# Altium PCB balenaFin_v1_x_x.PcbDoc (part 2 of 7) (continued)
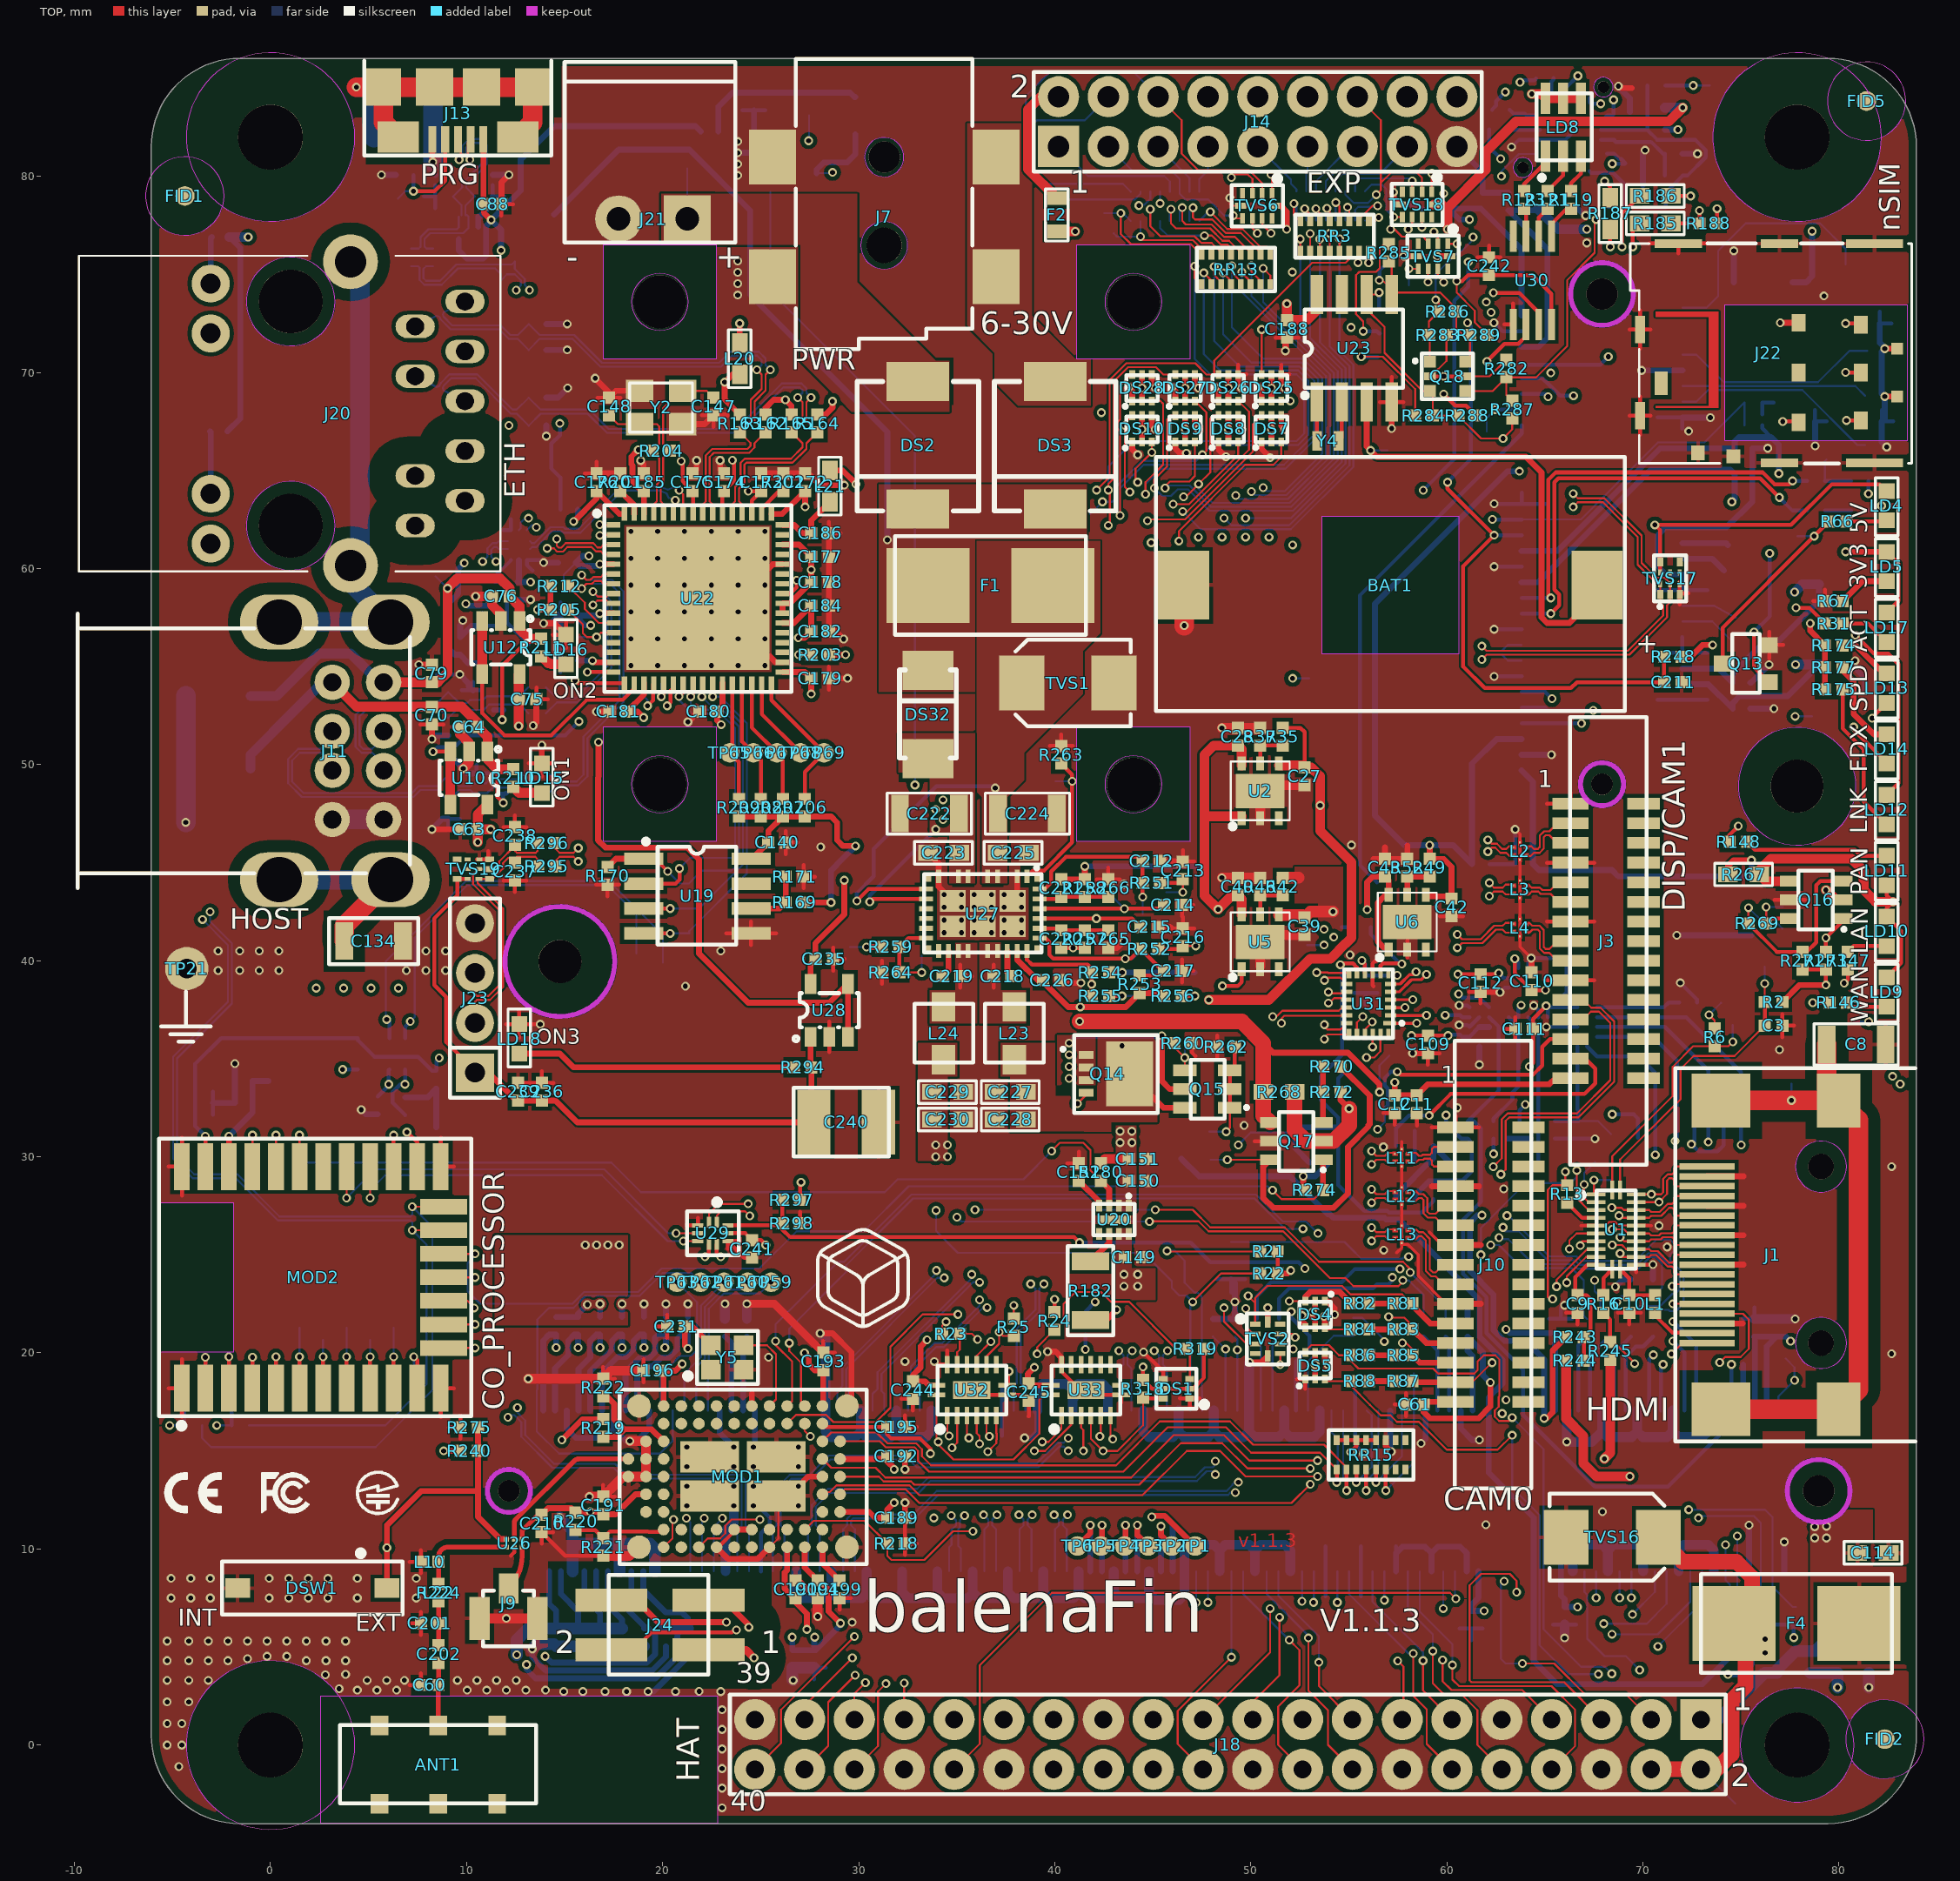
[diagram p0: TOP view]
## Part data
ANT1: library part "ANT - AH104N2450D1-T - 2.4G-5G", "2.4GHz, 5.4GHz WLAN Chip RF Antenna 2.4GHz ~ 2.5GHz, 4.9GHz ~ 5.85GHz 2.1dBi,  2.4dBi", Temperature range=-40°..+85°, Mount=Yes, MPN=AH104N2450D1-T, Pkg Type=SMD, ROOM=WIFI-BLUETOOTH
BAT1: library part "PORTA BATTERIA - SMTU1225-LF", "Coin Cell Battery Holders SFC - MNT FOR CR1225", Temperature range=-40°..+100°, Mount=Yes, MPN=SMTU1225-LF, Pkg Type=SMD, ROOM=RTC
C1 C187 C214 C215 C231: library part CS-C-0402-10n/50V, "CHIP CAP.CER. 10nF 50V 10% X7R 0402", Alternative MPN=C0402C103K5RACTU, MPN=Generic, Mount=Yes, Pkg Type=SMD
  C1: ROOM=CM3L
  C187: ROOM="ETHERNET+HUB USB"
  C214 C215: ROOM="POWER 5V-3V3"
  C231: ROOM=WIFI-BLUETOOTH
C2 C5 C7 C14 C16 C18 C20 C22 C24 C26 C93 C150 C151 C189 C190 C191 C192 C193 C194 C195 C196 C197 C198 C199: library part CS-C-0402-10u/6V3-X5R, "CHIP CAP.CER. 10uF 6.3V 20% X5R 0402", Alternative MPN=CC0402MRX5R5BB106, MPN=Generic, Temperature range=-55°..+85°, Mount=Yes, Pkg Type=SMD
  C2 C5 C7 C14 C16 C18 C20 C22 C24 C26: ROOM=CM3L
  C93: ROOM="ARTIK 020"
  C150 C151: ROOM=SWITCH-PW-3V3
  C189 C190 C191 C192 C193 C194 C195 C196 C197 C198 C199: ROOM=WIFI-BLUETOOTH
C3 C4 C6 C9 C10 C11 C12 C13 C15 C17 C19 C21 C23 C25 C61 C63 C64 C70 C75 C76 C79 C85 C88 C91 C92 C108 C109 C111 C117 C118 C119 C120 C121 C122 C123 C124 C140 C152 C170 C171 C172 C173 C174 C175 C176 C177 C178 C179 C180 C181 C182 C183 C186 C188 C204 C210 C211 C235 C236 C239 C241 C242 C243 C244 C245: library part CS-C-0402-100n/16V, "CHIP CAP.CER. 100nF 16V 10% X7R 0402", Alternative MPN=C0402C104K4RACTU, MPN=Generic, Mount=Yes, Pkg Type=SMD
  C3 C9 C10: ROOM=HDMI
  C4 C6 C13 C15 C17 C19 C21 C23 C25: ROOM=CM3L
  C11 C12 C243 C244 C245: ROOM="DISPLAY DSI"
  C61: ROOM="CAMERA CSI"
  C63 C64 C70 C235 C236 C239: ROOM="USB HOST 1"
  C75 C76 C79: ROOM="USB HOST 2"
  C85 C241: ROOM="SWITCH USB"
  C88: ROOM="USB BOOT"
  C91 C92: ROOM="ARTIK 020"
  C108 C109 C111: ROOM=eMMC
  C117 C118 C119 C120 C121 C122 C123 C124 C211: ROOM=mPCIE
  C140 C170 C171 C172 C173 C174 C175 C176 C177 C178 C179 C180 C181 C182 C183 C186: ROOM="ETHERNET+HUB USB"
  C152 C242: ROOM=SWITCH-PW-3V3
  C188: ROOM=RTC
  C204: ROOM=IO-EXPANDER
  C210: ROOM=WIFI-BLUETOOTH
C8 C71 C89 C134: library part CS-C-1206-10n/1kV, "CHIP CAP.CER. 10nF 1000V 10% X7R 1206", Alternative MPN=GRM31CR73A103KW03L, MPN=Generic, Mount=Yes, Pkg Type=SMD
  C8: ROOM=HDMI
  C71: ROOM="USB HOST 1"
  C89: ROOM="USB BOOT"
  C134: ROOM="ETHERNET+HUB USB"
C27 C28 C39 C40 C42 C43 C107 C149 C185 C226: library part CS-C-0402-1u/16-X5R, "CHIP CAP.CER. 1uF 16V 10% X5R 0402", MPN=Generic, Mount=Yes, Pkg Type=SMD
  C27 C28: ROOM="POWER 2V8"
  C39 C40: ROOM="POWER 1V8"
  C42 C43: ROOM="POWER 1V5"
  C107: ROOM=eMMC
  C149: ROOM=SWITCH-PW-3V3
  C185: ROOM="ETHERNET+HUB USB"
  C226: ROOM="POWER 5V-3V3"
C60 C68 C69 C77 C78 C86 C87 C201 C212 C217 C218 C219 C237 C238: library part CS-C-0402, "CHIP CAP.CER. 0402", MPN=Generic, Mount=No, Pkg Type=SMD
  C60 C201: ROOM=WIFI-BLUETOOTH
  C68 C69 C237 C238: ROOM="USB HOST 1"
  C77 C78: ROOM="USB HOST 2"
  C86 C87: ROOM="USB BOOT"
  C212 C217: ROOM="POWER 5V-3V3"
C110 C112: library part CS-C-0402-2.2u/6V3-X5R, "CHIP CAP.CER. 2.2uF 6.3V 20% X5R 0402", MPN=Generic, Mount=Yes, Pkg Type=SMD, ROOM=eMMC
C113 C114 C115 C116: library part CS-C-0603-10u/10V-X5R, "CHIP CAP.CER. 10uF 10V 10% X5R 0603", MPN=Generic, Mount=Yes, Pkg Type=SMD
  C113 C114: ROOM="CONNETTORE HAT"
  C115 C116: ROOM=mPCIE
C135: library part CS-C-0603-22n/50V, "CHIP CAP.CER. 22nF 50V 10% X7R 0603", MPN=Generic, Mount=Yes, Pkg Type=SMD, ROOM="ETHERNET+HUB USB"
C136 C137 C138 C139: library part CS-C-0402-15p/50V-NP0, "CHIP CAP.CER. 15pF 50V 5% NPO 0402", MPN=Generic, Mount=Yes, Pkg Type=SMD, ROOM="ETHERNET+HUB USB"
C147 C148 C153 C154 C155 C156: library part CS-C-0402-33p/50V-C0G, "CHIP CAP.CER. 33pF 50V 5% C0G 0402", MPN=Generic, Mount=Yes, Pkg Type=SMD
  C147 C148: ROOM="ETHERNET+HUB USB"
  C153 C154 C155 C156: ROOM=NANO-SIM
C184: library part CS-C-0402-4.7u/6V3-X5R, "CHIP CAP.CER. 4.7uF 6.3V 20% X5R 0402", MPN=Generic, Mount=Yes, Pkg Type=SMD, ROOM="ETHERNET+HUB USB"
C202: library part CS-C-0402-0.6p/50V-C0G, "CHIP CAP.CER. 0.6pF 50V ±0.1pF C0G 0402", MPN=Generic, Temperature range=-55°..+125°, Mount=Yes, Note=RF, Pkg Type=SMD, ROOM=WIFI-BLUETOOTH
C205 C206 C232 C234 C240: library part CS-C-1210-100u/10V-X5R, "CHIP CAP.CER. 100UF 10V 20% X5R 1210", MPN=Generic, Mount=Yes, Pkg Type=SMD
  C205 C206: ROOM=mPCIE
  C232: ROOM="USB HOST 2"
  C234 C240: ROOM="USB HOST 1"
C207 C208 C209 C222 C224: library part CS-C-1206-22u/25V-X5R, "CHIP CAP.CER. 22uF 25V 10% X5R 1206", MPN=Generic, Temperature range=-55°..+85°, Mount=Yes, Pkg Type=SMD
  C207 C208 C209: ROOM=mPCIE
  C222 C224: ROOM="POWER 5V-3V3"
C213 C216: library part CS-C-0402-220p/50V, "CHIP CAP.CER. 220pF 50V 10% X7R 0402", MPN=Generic, Mount=Yes, Pkg Type=SMD, ROOM="POWER 5V-3V3"
C220 C221: library part CS-C-0402-4.7p/50V-C0G, "CHIP CAP.CER. 4.7pF 50V 5% C0G 0402", MPN=Generic, Temperature range=-55°..+125°, Mount=Yes, Pkg Type=SMD, ROOM="POWER 5V-3V3"
C223 C225: library part CS-C-0603-100n/50V, "CHIP CAP.CER. 100nF 50V 10% X7R 0603", Alternative MPN=C0402C104K4RACTU, MPN=Generic, Mount=Yes, Pkg Type=SMD, ROOM="POWER 5V-3V3"
C227 C228 C229 C230: library part CS-C-0603-22u/10V/X5R, "CHIP CAP.CER. 22uF 10V 20% X5R 0603", MPN=Generic, Temperature range=-55°..+85°, Mount=Yes, Pkg Type=SMD, ROOM="POWER 5V-3V3"
DS1 DS4 DS5 DS7 DS8 DS9 DS10 DS25 DS26 DS27 DS28: library part "DIODO4x - BAV99BRVA-7 -0.2A/75V", "Diode Switching 75V 0.215A 6-Pin SOT-563 T/R", Temperature range=-65°..+150°, Mount=Yes, MPN=BAV99BRVA-7, Note="2x Serie", Pkg Type=SMD
  DS1: ROOM="DISPLAY DSI"
  DS4 DS5: ROOM="CAMERA CSI"
  DS7 DS8 DS9 DS10 DS25 DS26 DS27 DS28: ROOM="MCU CONNECTOR"
DS2 DS3: library part "SCHOTTKY-CDBC560-G - 5A/60V", "DIODE SCHOTTKY 5A 60V CDBC560-G DO214AB SMT", Mount=Yes, MPN=CDBC560-G, Pkg Type=SMD, ROOM="POWER IN"
DS32 DS33: library part "SCHOTTKY-MBRA160 - 1A/60V", "DIODE SCHOTTKY 1A 60V MBRA160T3G SMA SMT", MPN=MBRA160T3G, Mount=Yes, Pkg Type=SMD, ROOM="POWER IN"
DSW1 DSW2: library part DIP-SW-1x-CHS-01TB-SMD, "Dip Switch SPST 1 Position - Surface Mount Slide (Standard) - Actuator 100mA 6VDC", Temperature range=-40°..+85°, Mount=Yes, MPN=CHS-01TB, Pkg Type=SMD
  DSW1: ROOM=WIFI-BLUETOOTH
F1 F4: library part "RAPIDO - 0154003.DR - 3A/125V", "FUSE BOARD MNT 3A 125VAC/VDC SMD", Mount=Yes, MPN=0154003-DR, Pkg Type=SMD, ROOM="POWER IN"
F2: library part "PTC - 0ZCM0010FF2G - 0.1A/15V", "PTC RESET FUSE 15V 100MA 0603", MPN=0ZCM0010FF2G, Temperature range=-40°..+85°, Mount=Yes, Note=Ihold=250mA, Pkg Type=SMD, ROOM="MCU CONNECTOR"
F3: library part "PTC - MF-FSMF050X-2 -0.5A/6V", "PTC RESET FUSE 6V 500MA 0603", MPN=MF-FSMF050X-2, Mount=Yes, Note="Ihold=500mA - Itrip=1A - Imax=40A", Pkg Type=SMD
FID1 FID2 FID3 FID4 FID5 FID6: library part FIDUCIAL, "FIDUCIAL", MPN=Fiducial-No-BoM, Mount=Yes, Pkg Type=SMD
J1: library part "HDMI - J-19-0050-FOS-HDMI-A-CNC", "HDMI Receptacle Connector - 19 Position Surface Mount, Right Angle", MPN=2000-1-2-41-00-BK, Temperature range=-20°..+85°, Mount=Yes, Note="Full SMD", Pkg Type=SMD, ROOM=HDMI
J2: library part "SODIMM - CM3L - 1473005-4", "200 Position SODIMM DDR2 - SDRAM Socket Surface Mount, Right Angle", MPN=1473005-4, Power requirements="VBAT: 3.5W - 3V3: 250mA - 1V8: 250mA - VDAC:25mA - GPIO0-27-VDD: 50mA- GPIO28-45-VDD: 50mA - SDVDD:50mA", Temperature range=-55°..+85°, Mount=Yes, Pkg Type=SMD, ROOM=CM3L
J3 J10: library part "FPC-ZIF - J-15X2-0100-FDS-ZIF", "CONN FPC VERT 15POS 1.00MM SMD", Temperature range=-20°..+85°, Mount=Yes, MPN=1-1734248-5, Pkg Type=SMD
  J3: ROOM="DISPLAY DSI"
  J10: ROOM="CAMERA CSI"
J7: library part "JACK-PW - J-CUPJ002AH", "CONN. POWER JACK F/90° PJ-002AH-SMT-TR CUI SMT", Alternative MPN=694106106102, Mount=Yes, MPN=PJ-002AH-SMT, Note="ID=2.1mm OD=5.5mm", Pkg Type=SMD, ROOM="POWER IN"
J9: library part "UFL - U-FL-R-SMT-1-10", "CONN. RF M U.FL-R-SMT-1(10) HIROSE SMT", Temperature range=-40°..+90°, Mount=Yes, MPN=uFL-R-SMT-1-10, Note=50ohm, Pkg Type=SMD, ROOM=WIFI-BLUETOOTH
J11: library part "USB - J-8-0200-FOT-USB-A-2X", "USB-A (USB TYPE-A), Stacked USB 2.0 Receptacle Connector 8 Position Through Hole, Right Angle", Alternative MPN=672983091, MPN=1002-004-01010, Temperature range=-55°..+85°, Mount=Yes, Pkg Type=THT, ROOM="USB HOST 1"
J13: library part "USB - MICROUSB-B-FCI10118192", "USB - micro B USB 2.0 Receptacle Connector 5 Position Surface Mount, Right Angle", MPN=10118192-0001LF, Temperature range=-30°..+85°, Mount=Yes, Note="Full SMD", Pkg Type=SMD, ROOM="USB BOOT"
J14: library part STRIP-J-9X2-0254-MDT, "CONN HEADER SMD 18POS 2.54MM DUAL ROW THT", MPN=Generic, Mount=Yes, Pkg Type=THT, ROOM="MCU CONNECTOR"
J18: library part STRIP-J-20X2-0254-MDT, "Dual row connector header 40P P=2.54 H=8.5mm RPi Color coded", MPN=PZX20180117132, Mount=Yes, Note=H=8.5mm, Pkg Type=THT, ROOM="CONNETTORE HAT"
J19: library part "mPCIE - J-26X2-0080-FOS-2041119", "CONN PCI EXP MINI FEMALE 52POS", MPN=2041119-1, Temperature range=-55°..+85°, Mount=Yes, Note=0.5A/50VAC, Pkg Type=SMD, ROOM=mPCIE
J20: library part "RJ45-POE+ - 7499410213", "CONN JACK 1PORT 100 BASE-T PCB PoE+", Alternative MPN=TRJP4162HENL, MPN=7499410213, Temperature range=-40°..+85°, Mount=Yes, Note="Cable clip bottom", Pkg Type=THT
J21: library part "MC - J-2-0350-MOT-MC", "TERM BLOCK HDR 2POS 90DEG 3.5MM", Mount=Yes, MPN=1920943, Pkg Type=THT, ROOM="POWER IN"
J22: library part "NANOSIM - J-NANOSIM-SF72S006VBA", "CONN NANO SIM CARD PUSH-PUSH", Alternative MPN=SF72S006VBDR2500, MPN=SF72S006VBAR2500, Temperature range=-25°..+85°, Mount=Yes, Pkg Type=SMD, ROOM=NANO-SIM
J23: library part STRIP-J-4-0254-MDT, "CONN HEADER SMD 4POS 2.54MM SINGLE ROW THT", Alternative MPN=SL11/112/4/G, MPN=Generic, Mount=Yes, Pkg Type=THT
J24: library part STRIP-J-2X2-0254-MDS-TSM, "CONN HEADER SMD 4POS 2.54MM DUAL ROW SMT", MPN=Generic, Temperature range=-55°..+105°, Mount=Yes, Note=H=9.61mm, Pkg Type=SMD
L1: library part "FIL-BLM15PX121SN1D- 120R/2A", "FERRITE 120R 2A 25% 0402 BLM15PX121SN1D MURATA SMT", Temperature range=-55°..+125°, Mount=Yes, MPN=BLM15PX121SN1D, Pkg Type=SMD, ROOM=HDMI
L2 L3 L4 L11 L12 L13: "Common Mode Chokes / Filters 90ohms 25% 100A 2 Lines 0806", Mount=Yes, MPN=LCFE080602G900TG, Note="ESD Protection Inside", Pkg Type=SMD
L10: library part "L - L-07C2N2SV6T-2.2n/0.3A", "FIXED IND 2.2NH 300MA 160MOHM SM", Temperature range=-40°..+100°, Mount=Yes, MPN=L-07C2N2SV6T, Pkg Type=SMD, ROOM=WIFI-BLUETOOTH
L20 L21: library part FIL-BLM18PG121SN1D-120R/2A, "FERRITE BEAD 120 OHM 0603 1LN", Mount=Yes, MPN=BLM18PG121SN1D, Pkg Type=SMD, ROOM="ETHERNET+HUB USB"
L22: library part "L - L-07C1N8SV6T-1.8n/0.3A", "FIXED IND 1.8NH 300MA 140MOHM SM", MPN=Generic, Temperature range=-40°..+100°, Mount=No, Pkg Type=SMD, ROOM=WIFI-BLUETOOTH
L23 L24: library part PW-IHLP1212BZER1R0M11-1u/5A, "FIXED IND 1UH 5A 24 MOHM SMD", MPN=Generic, Temperature range=-55°..+125°, Mount=Yes, Pkg Type=SMD, ROOM="POWER 5V-3V3"
LD4 LD5: library part "LED R - GENERICO - 0603", "LED Red 0603 SMT", Alternative MPN=LTST-C191KRKT, MPN=Generic, Mount=Yes, Note=2V/20mA, Pkg Type=SMD, ROOM="POWER LED"
LD8: library part "LED RGB - ASMT-YTB7-0AA02", "LED RGB- 623nm Red, 529nm Green, PLCC6 469nm Blue LED Indication -  Discrete 2.1V Red, 3.1V", Mount=Yes, MPN=ASMT-YTB7-0AA02, Note="VFR=2.1V@20mA - VFG=VFB=3.1V@20mA", Pkg Type=SMD, ROOM="LED RGB"
LD9 LD10 LD11 LD12 LD14 LD15 LD16 LD17 LD18: library part "LED V - GENERICO - 0603", "LED Green 0603 SMT", Alternative MPN=KP-1608SGC, MPN=Generic, Mount=Yes, Note=V=2.2V/20mA, Pkg Type=SMD
  LD12 LD14: ROOM="ETHERNET+HUB USB"
  LD15 LD18: ROOM="USB HOST 1"
  LD16: ROOM="USB HOST 2"
  LD17: ROOM=CM3L
LD13: library part "LED G - KPT-1608YC - 0603", "LED Yellow 0603 SMT", Alternative MPN=KPT-1608YC, MPN=Generic, Mount=Yes, Note=V=2.1v/20mA, Pkg Type=SMD, ROOM="ETHERNET+HUB USB"
MOD1: library part "WIFI-BLE - WYSBHVGXG", "WiFi 802.11a/b/g/n, Bluetooth v4.2 Module 2.4GHz, 5GHz", Power requirements="3.3V: 300mA", Temperature range=-30°..+85°, Mount=Yes, MPN=WYSBHVGXG, Note="2.4G - 5G - BLE 4.2", Pkg Type=SMD, ROOM=WIFI-BLUETOOTH
MOD2: library part "ARTIK - 020", "Bluetooth v4.2 Transceiver Module 2.4GHz Integrated, Chip Surface Mount", Power requirements="3V3: 200mA", Temperature range=-40°..+85°, Mount=Yes, MPN=BGM111A256V21R, Note="PU_GPIO=100k - VIH=VDDx0.7 - VIL=VDDx0.3 - VOH=VDDx0.6 - VOL=VDDx0.4", Pkg Type=SMD, ROOM="ARTIK 020"
Q1 Q2 Q3 Q6 Q13: library part "NMOS - BSS138 - 0.2A/50V", "MOSFET N-CH 50V 220MA SOT23-3", Mount=Yes, MPN=BSS138LT1G, Pkg Type=SMD
  Q1 Q13: ROOM=HDMI
  Q2 Q3: ROOM=CM3L
  Q6: ROOM="SWITCH USB"
Q14: library part "PMOS - SISS27DN - 23A/30V", "MOSFET P-CH 30V 50A PPAK 1212-8S", Temperature range=-65°..+150°, Mount=Yes, MPN=SISS27DN-T1-GE3, Pkg Type=SMD, ROOM="POWER 5V-3V3"
Q15: library part "PNPPNP - DMMT5401-7-F-0.2A/150V", "TRANS 2PNP 150V 0.2A SOT26", Temperature range=-55°..+150°, Mount=Yes, MPN=DMMT5401-7-F, Pkg Type=SMD, ROOM="POWER 5V-3V3"
Q16 Q17 Q20: library part "N-P MOS-FDC6327C-2.7A/1.9A/20V", "MOSFET N/P-CH 20V SSOT-6", Temperature range=-55°..+150°, Mount=Yes, MPN=FDC6327C, Pkg Type=SMD
  Q16: ROOM=SWITCH-PW-LED
  Q17: ROOM=SWITCH-PW-5V
Q18: library part "NMOS-2X - PMGD280UN - 0.87A/20V", "MOSFET 2N-CH 20V 0.87A 6TSSOP", Temperature range=-55°..+150°, Mount=Yes, MPN=PMGD280UN, Note="Vth=0.7V - Rds=0.4ohm", Pkg Type=SMD, ROOM=I2C-ISOLATOR
Q21: library part "NMOS - DMN3053L-7 - 4A/30V", "MOSFET N-CH 30V 4A SOT23", Temperature range=-55°..+150°, Mount=Yes, MPN=DMN3053L-7, Pkg Type=SMD
R1 R3 R4 R5 R282 R283 R288 R289 R318 R319: library part RS-0402-2.49k, "CHIP RES. 2K49 0402 1/16W 1% 100PPM/°C", MPN=Generic, Mount=Yes, Note=100ppm, Pkg Type=SMD
  R1 R3 R4 R5 R318 R319: ROOM=CM3L
  R282 R283 R288 R289: ROOM=I2C-ISOLATOR
R2 R6 R8 R9 R11 R12 R13 R14 R15 R16 R17 R19 R91 R92 R108 R109 R114 R115 R139 R140 R171 R183 R224 R229 R231 R232 R235 R237 R243 R249 R250 R255 R264 R293 R295 R296 R309 R311 R312 R313: library part RS-0402-0r, "CHIP RES. 0R 0402 1/16W 1%", MPN=Generic, Pkg Type=SMD
  R2 R6 R8 R9 R11 R12 R13 R14 R15 R16 R17 R19 R183 R237 R243 R293: Mount=Yes, ROOM=CM3L
  R91 R92 R295 R296: Mount=Yes, ROOM="USB HOST 1"
  R108 R109: Mount=Yes, ROOM="USB HOST 2"
  R114 R115: Mount=Yes, ROOM="USB BOOT"
  R139 R140: Mount=Yes, ROOM=eMMC
  R171: Mount=Yes, ROOM="ETHERNET+HUB USB"
  R224: Mount=Yes, ROOM=WIFI-BLUETOOTH
  R229 R231 R232 R235 R312 R313: Mount=Yes, ROOM=IO-EXPANDER
  R249 R250: Mount=Yes, ROOM=mPCIE
  R255 R264: Mount=Yes, ROOM="POWER 5V-3V3"
  R309: Mount=Yes
  R311: Mount=No, ROOM=I2C-ISOLATOR
R7 R10 R18 R20 R21 R22 R180: library part RS-0402-100k, "CHIP RES. 100K 0402 1/16W 1%", MPN=Generic, Mount=Yes, Pkg Type=SMD
  R7 R10 R18 R20: ROOM=CM3L
  R21 R22: ROOM=HDMI
  R180: ROOM=SWITCH-PW-3V3
R23 R24 R25 R26 R81 R82 R83 R84 R85 R86 R87 R88: library part RS-0402-100r, "CHIP RES. 100R 0402 1/16W 1%", MPN=Generic, Mount=Yes, Pkg Type=SMD
  R23 R24 R25 R26: ROOM="DISPLAY DSI"
  R81 R82 R83 R84 R85 R86 R87 R88: ROOM="CAMERA CSI"
R28 R29 R37 R46 R52 R118 R128 R132 R134 R170 R203 R205 R206 R207 R208 R209 R218 R219 R220 R240 R245 R246 R248 R262 R271 R272 R273 R274 R298: library part RS-0402-10k, "CHIP RES. 10K 0402 1/16W 1%", MPN=Generic, Temperature range=-55°..+125°, Mount=Yes, Pkg Type=SMD
  R28 R29: ROOM=CM3L
  R37: ROOM="POWER 2V8"
  R46: ROOM="POWER 1V8"
  R52: ROOM="POWER 1V5"
  R118: ROOM="ARTIK 020"
  R128 R132: ROOM="SWO MCU"
  R134: ROOM=eMMC
  R170 R203 R205 R206 R207 R208 R209: ROOM="ETHERNET+HUB USB"
  R218 R219 R220 R240: ROOM=WIFI-BLUETOOTH
  R245: ROOM=HDMI
  R246 R248: ROOM=mPCIE
  R262: ROOM="POWER 5V-3V3"
  R271 R273: ROOM=SWITCH-PW-LED
  R272 R274: ROOM=SWITCH-PW-5V
R31 R67 R174 R175 R177 R307 R308: library part RS-0402-470r, "CHIP RES. 470R 0402 1/16W 1%", MPN=Generic, Mount=Yes, Pkg Type=SMD
  R31: ROOM=CM3L
  R67: ROOM="POWER LED"
  R174 R175 R177 R307 R308: ROOM="ETHERNET+HUB USB"
R32 R66 R116 R210 R211 R212 R269 R294: library part RS-0402-1k, "CHIP RES. 1K 0402 1/16W 1%", MPN=Generic, Mount=Yes, Pkg Type=SMD
  R32 R66 R116: ROOM="POWER LED"
  R210 R294: ROOM="USB HOST 1"
  R211: ROOM="USB HOST 2"
  R212: ROOM="ETHERNET+HUB USB"
  R269: ROOM=SWITCH-PW-LED
R35: library part RS-0402-24.9k, "CHIP RES. 24K9 0402 1/16W 1%", MPN=Generic, Mount=Yes, Pkg Type=SMD, ROOM="POWER 2V8"
R42 R202: library part RS-0402-12.4k, "CHIP RES. 12K4 0402 1/16W 1% 100PPM/°C", MPN=Generic, Mount=Yes, Note=100ppm, Pkg Type=SMD
  R42: ROOM="POWER 1V8"
  R202: ROOM="ETHERNET+HUB USB"
R49: library part RS-0402-8.66k, "CHIP RES. 8K66 0402 1/16W 1% 100PPM/°C", MPN=Generic, Temperature range=-55°..+155°, Mount=Yes, Note=100ppm, Pkg Type=SMD, ROOM="POWER 1V5"
R96 R117: library part RS-1206-1M, "CHIP RES. 1M 1206 1/4W 1%", MPN=Generic, Mount=Yes, Pkg Type=SMD
  R96: ROOM="USB HOST 1"
  R117: ROOM="USB BOOT"
R113 R260: library part RS-0402-47k, "CHIP RES. 47K 0402 1/16W 1% 100PPM/°C", MPN=Generic, Mount=Yes, Note=100ppm, Pkg Type=SMD
  R113: ROOM="SWITCH USB"
  R260: ROOM="POWER 5V-3V3"
R119: library part RS-0402-240r, "CHIP RES. 240R 0402 1/16W 1% 100PPM/°C", MPN=Generic, Temperature range=-55°..+125°, Mount=Yes, Note=100ppm, Pkg Type=SMD, ROOM="LED RGB"
R121 R123: library part RS-0402-200r, "CHIP RES. 200R 0402 1/16W 1% 100PPM/°C", MPN=Generic, Mount=Yes, Note=100ppm, Pkg Type=SMD, ROOM="LED RGB"
R133 R135 R136 R137 R138: library part RS-0402-49.9k, "CHIP RES. 49K9 0402 1/16W 1% 100PPM/°C", MPN=Generic, Temperature range=-55°..+155°, Mount=Yes, Note="100 ppm", Pkg Type=SMD, ROOM=eMMC
R142 R143 R144 R145 R153 R169 R221 R222 R230 R233 R234 R236 R244 R247 R253 R254 R256 R259 R275 R284 R285 R297 R314 R315: library part RS-0402, "CHIP RES. 0402", MPN=Generic, Mount=No, Pkg Type=SMD
  R153: ROOM="USB BOOT"
  R169: ROOM="ETHERNET+HUB USB"
  R221 R222 R275: ROOM=WIFI-BLUETOOTH
  R230 R233 R234 R236: ROOM=IO-EXPANDER
  R247: ROOM=mPCIE
  R253 R254 R256 R259: ROOM="POWER 5V-3V3"
  R284 R285 R314 R315: ROOM=I2C-ISOLATOR
R146 R147 R148: library part RS-0402-330r, "CHIP RES. 330R 0402 1/16W 1%", MPN=Generic, Mount=Yes, Pkg Type=SMD, ROOM=mPCIE
R162 R163 R164 R165: library part RS-0402-49.9r, "CHIP RES. 49R9 0402 1/16W 1% 100PPM/°C", MPN=Generic, Temperature range=-55°..+155°, Mount=Yes, Note="100 ppm", Pkg Type=SMD, ROOM="ETHERNET+HUB USB"
R182: library part RS-1206-100r, "CHIP RES. 100R 1206 1/4W 1%", MPN=Generic, Mount=Yes, Pkg Type=SMD, ROOM=SWITCH-PW-3V3
R184 R286 R287: library part RS-0402, "CHIP RES. 0R 0402 1/10W 1%", MPN=Generic, Mount=No, Pkg Type=SMD
  R184: ROOM=HUB-USB
  R286 R287: ROOM=I2C-ISOLATOR
R185 R186 R187: library part RS-0603-22r, "CHIP RES. 22R 0603 1/16W 1%", MPN=Generic, Mount=Yes, Pkg Type=SMD, ROOM=NANO-SIM
R188 R251 R252 R263: library part RS-0402-15k, "CHIP RES. 15K 0402 1/16W 1%", MPN=Generic, Temperature range=-55°..+155°, Mount=Yes, Pkg Type=SMD
  R188: ROOM=NANO-SIM
  R251 R252 R263: ROOM="POWER 5V-3V3"
R200: library part RS-0402-10r, "CHIP RES. 10R 0402 1/16W 1% 100PPM/°C", MPN=Generic, Temperature range=-55°..+125°, Mount=Yes, Note="100 ppm", Pkg Type=SMD, ROOM="ETHERNET+HUB USB"
R201: library part RS-0402-12k, "CHIP RES. 12K 0402 1/16W 1%", MPN=Generic, Mount=Yes, Pkg Type=SMD, ROOM="ETHERNET+HUB USB"
R204 R257 R258: library part RS-0402-1M, "CHIP RES. 1M 0402 1/16W 1%", MPN=Generic, Mount=Yes, Pkg Type=SMD
  R204: ROOM="ETHERNET+HUB USB"
  R257 R258: ROOM="POWER 5V-3V3"
R265: library part RS-0402-191k, "CHIP RES. 191K 0402 1/16W 1%", MPN=Generic, Mount=Yes, Pkg Type=SMD, ROOM="POWER 5V-3V3"
R266: library part RS-0402-316k, "CHIP RES. 316K 0402 1/16W 1%", MPN=Generic, Mount=Yes, Pkg Type=SMD, ROOM="POWER 5V-3V3"
R267 R268: library part RS-0603, "CHIP RES. 0603", MPN=Generic, Mount=No, Pkg Type=SMD
  R267: ROOM=SWITCH-PW-LED
  R268: ROOM=SWITCH-PW-5V
R270 R316 R317: library part RS-0402-2.2k, "CHIP RES. 2K2 0402 1/16W 1%", MPN=Generic, Mount=Yes, Pkg Type=SMD
  R270: ROOM=SWITCH-PW-5V
RR2 RR3 RR13 RR14: library part RR-8X-1506-100r/5%, "RES ARRAY 8 RES 100 OHM 1506 5%", Alternative MPN=CAY16-101J8LF, MPN=Generic, Temperature range=-55°..+125°, Mount=Yes, Note=200ppm, Pkg Type=SMD, ROOM="MCU CONNECTOR"
RR4: library part RR-1206-49.9r, "RES ARRAY 4 RES 49.9 OHM 1206 1%", Alternative MPN=CAY16-49R9F4LF, MPN=Generic, Mount=Yes, Note=4x, Pkg Type=SMD, ROOM="SWO MCU"
RR15: library part RR-8X-1506-10k/5%, "RES ARRAY 8 RES 10K OHM 1506 5%", Alternative MPN=CAY16-103J8LF, MPN=Generic, Temperature range=-55°..+125°, Mount=Yes, Note=200ppm, Pkg Type=SMD, ROOM=WIFI-BLUETOOTH
TP1 TP2 TP3 TP4 TP5 TP6 TP41 TP46 TP47 TP49 TP50 TP55 TP56 TP57 TP58 TP59 TP60 TP61 TP62 TP63 TP64 TP65 TP66 TP67 TP68 TP69 TP70 TP71 TP72 TP84: library part "TEST POINT SMD 1 MM", "TEST POINT SMD", MPN=TP-No-BoM, Mount=Yes, Pkg Type=SMD
  TP41: ROOM=eMMC
  TP46 TP47 TP49 TP50 TP55 TP56 TP57 TP58 TP64: ROOM=mPCIE
  TP65 TP66 TP67 TP68 TP69: ROOM="ETHERNET+HUB USB"
TP21: library part "TEST POINT THT - 2.2MM", "PCB Test Point, Black, - Through Hole Mount, 1.02 mm, Phosphor Bronze, Tin Plated Contacts", MPN=20-2137, Mount=Yes, Pkg Type=THT, ROOM="POWER IN"
TVS1: library part "TVS-UNI - SMBJ36A - 36V/600W", "TVS DIODE 36VWM 58.1VC SMB", Mount=Yes, MPN=SMBJ36A, Note=Unidirectional, Pkg Type=SMD, ROOM="POWER IN"
TVS2 TVS6 TVS7 TVS18: library part "TVS-UNI6x - TPD6E001RSER", "TVS DIODE 5VWM", Temperature range=-40°..+85°, Mount=Yes, MPN=TPD6E001RSER, Note="Unidirectional - 6x - High-Speed Data Interface  I/O", Pkg Type=SMD
  TVS2: ROOM="CAMERA CSI"
  TVS6 TVS7 TVS18: ROOM="MCU CONNECTOR"
TVS3: library part "TVS-UNI3x - TPD3E001DRLR - USB", "TVS DIODE 5.5VWM", Alternative MPN=TPD3E001DRYR, Temperature range=-40°..+85°, Mount=Yes, MPN=TPD3E001DRLR, Note="Unidirectional - High-Speed Data Interface - USB", Pkg Type=SMD, ROOM="USB HOST 1"
TVS4 TVS5 TVS17 TVS19: library part "TVS-UNI3x - TPD3E001DRLR - USB", "TVS DIODE 5.5VWM", Temperature range=-40°..+85°, Mount=Yes, MPN=TPD3E001DRLR, Note="Unidirectional - High-Speed Data Interface - USB", Pkg Type=SMD
  TVS4: ROOM="USB HOST 2"
  TVS5: ROOM="USB BOOT"
  TVS17: ROOM=mPCIE
  TVS19: ROOM="USB HOST 1"
TVS15: library part "TVS-UNI - SM2T3V3A - 3.6V/200W", "TVS DIODE 3.3VWM 6.8VC DO216AA", Mount=Yes, MPN=SM2T3V3A, Note=Unidirectional, Pkg Type=SMD, ROOM="CONNETTORE HAT"
TVS16: library part "TVS-UNI - SM6T6V8A - 6.8V/600W", "TVS DIODE 5.8VWM 13.4VC SMB", Mount=Yes, MPN=SM6T6V8A, Note=Unidirectional, Pkg Type=SMD, ROOM="CONNETTORE HAT"
U1: library part "HDMI-TPD12S016RKTR-ESD PROTECT", "HDMI, I²C Buffer, ESD Protection Interface 24-UQFN (4x2)", Power requirements="5V: 100mA - 3V:50uA", Temperature range="-40° - +85°", Mount=Yes, MPN=TPD12S016RKTR, Pkg Type=SMD, ROOM=HDMI
U2 U5 U6: library part "LDO - LD39050PUR - 0.5A/ADJ", "Linear Voltage Regulator IC Positive Adjustable 1 Output 500mA 6-DFN (3x3)", Temperature range=-40°..+125°, Mount=Yes, MPN=LD39050PUR, Pkg Type=SMD
  U2: ROOM="POWER 2V8"
  U5: ROOM="POWER 1V8"
  U6: ROOM="POWER 1V5"
U10 U12 U28: library part "USB-PSW - TPS2051CDBVR", "Power Switch/Driver 1:1 N-Channel 500mA SOT-23-5", Temperature range=-40°..+125°, Mount=Yes, MPN=TPS2051CDBVR, Note="Active High EN", Pkg Type=SMD
  U10 U28: ROOM="USB HOST 1"
  U12: ROOM="USB HOST 2"
U13 U29: library part "SWITCH-USB - FSUSB42UMX", "USB Switch IC 1 Channel 10-UMLP (1.8x1.4)", Power requirements="3V3: 15uA", Temperature range=-40°..+85°, Mount=Yes, MPN=FSUSB42UMX, Pkg Type=SMD, ROOM="SWITCH USB"
U17: library part "eMMC - SDINBDG4-8G-I - 8GB", "IC eMMC SDINBDG4-8G SANDISK VFBGA153 SMT", Power requirements="Vcc/Vccq: 230mA", Temperature range=-25°..+85°, Mount=Yes, MPN=SDINBDG4-8G-I, Note="Standard 5.1 - VCC=2.7V-3.6V - VCCQ=1.7V-1.95V/2.7V-3.6V", Pkg Type=SMD, ROOM=eMMC
U19: library part "EE - 93AA66CT-I-SN - 4Kb", "IC EEPROM 4KBIT SPI 3MHZ 8SOIC", Power requirements="3V3: 2mA", Temperature range=-40°..+85°, Mount=Yes, MPN=93AA66CT-I/SN, Note="VIH=2V - VIL=0.8V - VOL=0.4", Pkg Type=SMD, ROOM="ETHERNET+HUB USB"
U20: library part "PSW - 1x - AP22800HB-7", "IC PWR SWITCH N-CHAN 1:1 8UDFN", Power requirements="xV: 21uA", Temperature range=-40°..+85°, Mount=Yes, MPN=AP22800HB-7, Note="1.5 -5.5V - 16mOHM", Pkg Type=SMD, ROOM=SWITCH-PW-3V3
U22: library part "USB-ETH-HUBx4 - LAN9514I", "IC USB 2.0 ETH CTLR IND 64-QFN", Power requirements="3V3: 290mA", Temperature range=-40°..+85°, Mount=Yes, MPN=LAN9514I-JZX, Note="USB 2.0 + ETH 10/100", Pkg Type=SMD
U23: library part "RTC - DS1307ZN+", "IC RTC CLK/CALENDAR I2C 8-SOIC", Power requirements="5V: 2mA", Temperature range=-40°..+85°, Mount=Yes, MPN=DS1307ZN+, Pkg Type=SMD, ROOM=RTC
U25: library part "IO EXP-8b - PCA9554BS3-118", "IC I/O EXPANDER I2C 8B 16HVQFN", Alternative MPN=PCA9554ABS, Power requirements="3V3: 20mA", Temperature range=-40°..+85°, Mount=Yes, MPN=PCA9554BS3-118, Note="Full Bidirectional", Pkg Type=SMD, ROOM=IO-EXPANDER
U26: library part "RF-SW - BGS12SN6E6327XTSA1", "IC RF SWITCH SPDT 6GHZ TSNP6-2", Power requirements="xV: xmA", Temperature range=-40°..+85°, Mount=Yes, MPN=BGS12SN6E6327XTSA1, Note="100MHz to 6GHz", Pkg Type=SMD, ROOM=WIFI-BLUETOOTH
U27: library part "BUCK-2X-LT8650SEV- 4A/ADJ", "IC REG BCK 3.3V/5V 4A DL 32LQFN", Temperature range=-40°..+125°, Mount=Yes, MPN=LT8650SEV, Note="300kHz - 3MHz - VIN=3V - 42V", Pkg Type=SMD, ROOM="POWER 5V-3V3"
U30: library part "LED DRIVER-4x - PCA9633DP1", "IC LED DRIVER PS DIM 25MA 8TSSOP", Power requirements="3.3V: 10mA+LED", Temperature range=-40°..+85°, Mount=Yes, MPN=PCA9633DP1, Note="VCC=2.3V-5.5V - VIH-I2C=0.7*VDD-5.5V", Pkg Type=SMD
U31: library part "MIPI-SWITCH - FSA642UMX", "IC SWITCH 3PDT 24UMLP", Power requirements="3V3: 2uA", Temperature range=-40°..85°, Mount=Yes, MPN=FSA642UMX, Note="Up to 1GHz", Pkg Type=SMD
U32 U33: library part "MUX-AN-4x2-1 - 74CBTLV3257BQ", "IC MUX/DEMUX 4 X 1:2 16DHVQFN", Power requirements="3V3: 50uA", Temperature range=-40°..125°, Mount=Yes, MPN=74CBTLV3257BQ, Pkg Type=SMD
Y2: library part QUARZO-ABM8G-25.000MHz, "25MHz ±20ppm Crystal 18pF 60 Ohms 4-SMD, No Lead  D=3.2x2.5", MPN="ABM8G-25.000MHZ- 18-D2Y-T", Mount=Yes, Pkg Type=SMD, ROOM="ETHERNET+HUB USB"
Y4: library part QUARZO-ABS05-32.768KHZ-T, "32.768kHz ±20ppm Crystal 12.5pF 90 kOhms 2-SMD, No  Lead D=1.6x1", Temperature range=-40°..+85°, Mount=Yes, MPN=ABS05-32.768KHZ-T, Note=CL=12.5p, Pkg Type=SMD, ROOM=RTC
Y5: library part "OSCILLATORE - NZ2520SB-32.768K", "32.768kHz XO (Standard) CMOS Oscillator 15pF 1.8V  30ppm 1.8V Standby (Power  Down) 4-SMD, No Lead", Temperature range=-40°..+85°, Mount=Yes, MPN=NZ2520SB-32.768KHZ-NSA3534C, Pkg Type=SMD, ROOM=WIFI-BLUETOOTH

## Free pads (board coordinates)
  round 1 smd far side: 1(-4.27,37.38) 1(-2.12,18.948) 1(-0.92,30.248) 1(0.28,18.948) 1(0.28,30.248) 1(1.206,52.731) 1(1.31,36.05) 1(1.48,21.27) 1(2.68,20.652) 1(3.88,21.27) 1(4.57,72.1) 1(5.08,20.652) 1(5.94,10.912) 1(6.28,21.27) 1(6.5,78.87) 1(7.309,18.9) 1(8.428,59.592) 1(8.46,31.5) 1(9.21,20.25) 1(9.21,21.45) 1(9.21,25.05) 1(11.1,51.5) 1(11.76,74.7) 1(11.76,77.077) 1(12.46,75.65) 1(14.07,75.66) 1(14.78,64) 1(14.96,59.1) 1(18.66,40.36) 1(18.77,53.76) 1(19.48,28.2) 1(20.01,39.91) 1(20.125,54.316) 1(21.26,80.4) 1(21.33,43.94) 1(21.36,42.66) 1(21.56,45.24) 1(25.49,76.95) 1(25.76,21.452) 1(26.15,84.27) 1(27.782,55.6) 1(28.644,23.416) 1(29.185,45.2) 1(29.548,40.7) 1(29.56,80.86) 1(29.86,65.152) 1(33.21,40.252) 1(40.033,49.15) 1(41.268,42.15) 1(41.81,62.78) 1(41.88,39.652) 1(42.516,78.12) 1(42.948,43.252) 1(44.282,38.2) 1(44.367,40.471) 1(44.48,42.398) 1(45.678,43.49) 1(46.34,40.75) 1(46.63,35.904) 1(47.888,31.28) 1(47.948,29.85) 1(52.878,40.8) 1(52.982,54.4) 1(53.53,48.772) 1(55.084,25.346) 1(55.087,24.056) 1(56.43,23.5) 1(56.43,44) 1(56.482,70.8) 1(56.86,75.5) 1(56.962,66.02) 1(57.06,35.16) 1(58.063,74.437) 1(58.26,60.13) 1(58.31,18.96) 1(60.37,70.58) 1(61.23,69.74) 1(62.03,67) 1(63.88,19.143) 1(64.65,29.4) 1(67.83,22.85) 1(67.96,78.66) 1(68.36,31.16) 1(71.16,78.4) 1(73.415,84.633) 1(73.973,37.842) 1(74.53,56.3) 1(74.58,36.712) 1(74.71,-2.99) 1(76.21,39.682) 1(76.46,57.56) 1(77.108,41.64) 1(77.132,42.74) 1(77.28,19.71) 1(77.57,33.727) 1(77.878,61.65) 1(78.612,52.46) 1(79.36,65.56) 1(80.33,75.5) 1(80.653,36.89) 1(81.33,66.3) 1(81.33,68.8) 1(81.43,71.1)
  round 1 smd far side mask+0.11: 1(9.21,22.66) 1(56.576,71.994)
  round 1 smd far side mask+0.17: 1(21.36,41.39)
  round 1 smd far side mask+0.18: 1(43.005,77.095)
  round 1 smd far side mask+0.12: 1(46.62,23.58) 1(65.26,4.56) 1(66.469,4.369)
  round 1 smd far side mask+0.13: 1(56.538,73.223) 1(67.56,29.73) 1(68.354,28.812)
  round 1 smd far side mask+0.2: 1(74.78,2.26)
  round 3.3 hole 3.3 unplated: ""(0,0) ""(0,82) ""(77.86,0) ""(77.86,82)
  round 2.7 hole 2.7: ""(77.86,48.9)

## Via types
v1: diameter 0.45, hole 0.254, TOP to BOTTOM, tented both sides, 1048 vias

## Nets (pads, with @x,y where several pads share a name; then routed paths per layer and width w, separated by ;. In a path a pad name is that pad's centre, name@x,y a point inside that pad or via, vN(x,y) a via of type N, cw(c..) or ccw(c..) an arc to the next point about the centre after c; other vN are vias at no path point)
3V3_HAT: F3.2 J18.1 J18.17 pad.1@74.78,2.26 TVS15.1 | length 30.7
  POWER w0.6: J18.17@52.64,1.3 54.14,2.8 71.46,2.8 J18.1@72.96,1.3
  BOTTOM w0.6: J18.1@72.96,1.3 73.82,1.3 pad.1@74.78,2.26 76.21,3.69 F3.2@76.83,3.69 76.83,3.84 77.79,4.8 78.802,4.8 79.49,5.488 TVS15.1@79.49,6.29
5V_HAT: F4.1 J18.2 J18.4 pad.1@74.71,-2.99 TVS16.1 | length 37.5
  TOP w0.8: J18.4@70.42,-1.24 J18.2@72.96,-1.24 73.748,-1.24 74.51,-0.478 74.51,2.28 75.23,3 75.23,5.615 F4.1@74.645,6.2 ; TVS16.1@70.78,10.6 72.02,9.36 74.755,9.36 75.555,8.56 75.555,7.11 F4.1@74.645,6.2 ; v1(76.23,4.7) F4.1@74.73,6.2 ; v1(76.23,5.4) 75.43,6.2 F4.1@74.73,6.2 ; F4.1@74.645,6.2 F4.1@74.73,6.2
  INT1 w0.8: J18.4@70.42,-1.24 J18.2@72.96,-1.24 73.71,-1.24 74.51,-0.44 74.51,2.28 76.23,4 v1(76.23,4.7) v1(76.23,5.4)
  BOTTOM w0.1: J18.2@72.96,-1.24 pad.1@74.71,-2.99
5V_HOST1: C64.1 C70.1 C234.1 J11.1 pad.1@1.206,52.731 R210.2 TVS3.5 U10.1 | length 21.2
  TOP w0.2: 11.57,49.76 11.57,48.348 v1(11.87,48.048)
  TOP w0.5: J11.1@3.15,54.2 4.4,52.95 C70.1@8.233,52.95 9.755,52.95 10.57,52.135 C64.1@10.57,51.92 11.07,51.42 U10.1@11.07,50.66 11.07,50.26 11.57,49.76 R210.2@12.38,49.76
  BOTTOM w0.2: TVS3.5@11.587,48.513 TVS3.5@11.953,48.513 ; v1(11.87,48.048) 11.87,48.43 TVS3.5@11.953,48.513 ; TVS3.5@11.99,48.55 TVS3.5@11.953,48.513 ; TVS3.5@12.075,48.55 12.038,48.513 TVS3.5@11.953,48.513
  BOTTOM w0.5: C234.1@-1.02,49.8 -1.02,50.505 pad.1@1.206,52.731 2.675,54.2 J11.1@3.15,54.2
5V_HOST2: C76.1 C79.1 C232.1 J11.5 pad.1@8.428,59.592 R211.2 TVS4.5 U12.1 | length 29.9
  TOP w0.2: v1(11.815,52.288) 11.815,55.035 13.2,56.42
  TOP w0.5: J11.5@5.77,54.2 C79.1@8.233,54.2 8.53,54.2 9.03,54.7 v1(9.03,58.99) 9.03,59 9.53,59.5 11.7,59.5 12.2,59 C76.1@12.2,58.58 12.7,58.08 U12.1@12.7,57.32 12.7,56.92 13.2,56.42 R211.2@13.81,56.42
  BOTTOM w0.1: pad.1@8.428,59.592 v1(9.03,58.99)
  BOTTOM w0.2: v1(11.815,52.288) 11.815,52.705 TVS4.5@11.9,52.79
  BOTTOM w0.254: TVS4.5@11.375,52.79 TVS4.5@11.9,52.79
  BOTTOM w0.5: C232.1@-1.02,53.5 0.311,53.5 2.47,55.66 4.09,55.66 5.549,54.2 J11.5@5.77,54.2
5V_HOST_INT: C236.1 C239.1 C240.1 J23.1 R294.2 TVS19.5 U28.1 | length 34.5
  TOP w0.2: TVS19.5@10.05,44.17 TVS19.5@9.525,44.17 9.525,43.325 8.36,42.16 8.36,38.76 8.96,38.16 8.96,35.86 10.43,34.39 J23.1@10.43,34.29
  TOP w0.3: J23.1@10.43,34.29 11.126,34.29 12.546,32.87 C239.1@12.62,32.87 C236.1@13.84,32.87 14.54,32.87 15.65,31.76 C240.1@27.71,31.76 27.59,31.88 R294.2@27.59,34.56 27.55,34.6 U28.1@27.55,36.11
+1V5: C42.1 C115.2 C117.1 C120.1 C123.1 J19.6 J19.28 J19.48 pad.1@58.26,60.13 R49.2 U6.4 | length 95
  TOP w0.3: U6.4@58.93,43.28 60.13,43.28 C42.1@60.24,43.17 60.24,43.28 60.24,44.79 59.84,45.19 R49.2@59.12,45.19 v1(59.12,45.89)
  POWER w0.5: v1(67.13,77.3) 66.535,77.3 65.598,76.363 65.598,74.832 65.995,74.435 65.995,72.235 67.03,71.2 67.03,68.3 v1(63.69,64.96) 72.97,64.96 v1(74.53,63.4)
  BOTTOM w0.3: v1(63.69,64.96) 63.09,64.96 pad.1@58.26,60.13 56.33,58.2 56.33,47.4 57.84,45.89 v1(59.12,45.89) 60.32,45.89 C123.1@61.28,44.93 61.28,50.047 62.533,51.3 J19.48@63.81,51.3 ; J19.28@63.81,59.3 64.664,59.3 70.394,65.03 74.46,65.03 C120.1@74.68,64.81 74.68,63.55 v1(74.53,63.4) ; J19.6@63.81,71.3 64.664,71.3 65.13,71.766 65.13,76.275 C117.1@63.14,78.265 64.535,78.265 C115.2@64.625,78.355
  BOTTOM w0.5: C115.2@64.625,78.355 65.68,77.3 v1(67.13,77.3)
+1V8: C13.2 C14.1 C15.2 C16.1 C39.1 C231.1 J2.183 J2.184 J2.185 J2.186 R21.2 R22.2 R42.2 U5.4 Y5.4 | length 59.9
  TOP w0.2: R22.2@51.37,24.05 R21.2@51.37,25.17
  TOP w0.3: v1(21.29,20.22) 21.13,20.38 C231.1@21.13,21.35 21.51,21.35 Y5.4@22.475,20.385 ; R22.2@51.37,24.05 51.882,24.05 v1(52.032,24.2)
  TOP w0.6: U5.4@51.43,42.32 52.63,42.32 C39.1@52.74,42.21 53.03,42.5 v1(54.19,42.5) ; R42.2@51.62,44.23 52.43,44.23
  INT3 w0.2: v1(13.06,4.1) 14.36,4.1 20.112,9.852 v1(20.112,20.268)
  BOTTOM w0.3: v1(13.06,4.1) 13.06,3.86 13.52,3.4 19.634,3.4 20.73,4.496 20.73,5.488 20.757,5.515 20.757,5.667 C13.2@21.03,5.94 ; J2.186@18.11,17.06 18.11,19.027 18.82,19.737 19.31,19.737 19.61,20.037 19.61,20.766 19.764,20.92 C16.1@20.17,20.92 ; J2.185@18.41,8.86 18.41,7.61 20.08,5.94 C15.2@20.17,5.94 ; J2.184@18.71,17.06 18.71,19.01 19.01,19.31 19.487,19.31 19.943,19.766 20.32,19.766 20.757,20.203 20.757,20.727 20.96,20.93 C14.1@21.29,20.93 v1(21.29,20.22) ; J2.183@19.01,8.86 19.01,7.91 20.16,6.76 20.99,6.76 21.29,6.46 C13.2@21.29,5.94 ; v1(20.112,20.268) 20.17,20.326 C16.1@20.17,20.92 ; C16.1@20.17,20.93 C16.1@20.17,20.92
  BOTTOM w0.6: C15.2@20.17,5.94 20.757,5.94 21.03,5.94 C13.2@21.29,5.94
+1V8_CORE: C182.1 C183.2 C184.1 U22.15 U22.38 | length 16.8
  TOP w0.3: v1(16.42,55.3) 16.5,55.22 U22.15@17.49,55.22 ; U22.38@26.11,57.22 26.7,57.22 C184.1@27.58,58.1 C182.1@27.58,56.8 27.25,56.47 v1(26.919,56.47)
  INT1 w0.5: v1(16.42,55.3) 16.92,55.8 26.249,55.8 v1(26.919,56.47)
  BOTTOM w0.3: C183.2@15.68,55.3 v1(16.42,55.3)
+1V8_ETHPLL: C186.1 L21.2 U22.48 | length 3.6
  TOP w0.3: U22.48@26.11,62.22 26.71,62.22 27.13,61.8 C186.1@27.58,61.8 27.58,62.45 L21.2@28.53,63.4
+1V8_USBPLL: C185.2 L21.1 pad.1@29.86,65.152 U22.62 | length 18.8
  TOP w0.3: v1(18.76,66.05) 18.697,65.987 18.683,65.987 18.405,65.709 18.405,65.315 18.46,65.26 18.46,64.446 18.956,63.95 C185.2@19.03,63.95 19.05,63.93 U22.62@19.05,62.78 ; L21.1@28.53,65 29.182,65 29.86,64.322 v1(29.86,64.3)
  INT2 w0.3: v1(18.76,66.05) 19.71,67 27.182,67 29.735,64.447 29.735,64.425 v1(29.86,64.3)
  BOTTOM w0.1: v1(29.86,64.3) pad.1@29.86,65.152
+1V8_WIFI: C194.2 C195.2 C196.2 C197.2 C198.2 MOD1.B2 MOD1.C9 MOD1.J9 MOD1.L1 MOD1.L9 | length 61.3
  TOP w0.1: MOD1.L9@20.05,10.09 20.5,10.54 20.5,11.44 v1(20.56,11.5) ; MOD1.J9@21.85,10.09 22.3,10.54 22.937,10.54 23.2,10.803 23.2,11.177 23.524,11.5 v1(24.96,11.5)
  TOP w0.2: MOD1.B2@28.15,16.39 28.32,16.22 C195.2@31.46,16.22 31.46,15.83 31.66,15.63 33.13,15.63 33.659,15.101 v1(33.659,14.861)
  TOP w0.3: MOD1.L1@20.05,17.29 20.05,18.96 C196.2@19.92,19.09 20.65,19.09 v1(20.995,19.435) ; MOD1.C9@27.25,10.09 27.25,9.05 C194.2@27.91,8.39 27.984,8.39 28.47,7.904 28.47,6.81 v1(29.07,6.21)
  INT1 w0.3: v1(20.56,11.5) 21.56,10.5 23.56,10.5 26.61,7.45 26.61,7.419 26.835,7.194 26.835,5.806 26.61,5.581 v1(26.61,5.502) ; v1(24.96,11.5) 28.385,8.075 28.385,6.127 v1(27.76,5.502)
  POWER w0.3: v1(29.07,6.21) 29.07,7.482 33.66,12.072 v1@33.66,14.861
  POWER w0.4: v1(20.56,11.5) 19.46,12.6 19.46,17.9 v1(20.995,19.435)
  BOTTOM w0.3: v1(26.61,5.502) C197.2@26.61,4.84 C198.2@27.73,4.84 ; v1(27.76,5.502) 27.76,5.5 27.73,5.47 C198.2@27.73,4.84 ; v1(29.07,6.21) 29.07,6.102 27.808,4.84 C198.2@27.73,4.84
+2V8: C17.2 C18.1 C27.1 J2.189 J2.190 pad.1@53.53,48.772 R35.2 U2.4 | length 106.7
  TOP w0.2: R35.2@51.62,51.87 52.53,51.87 52.74,51.66 C27.1@52.74,49.85
  TOP w0.5: v1(47.86,38) 50.921,38 53.021,40.1 54.06,40.1 54.485,40.525 54.485,40.538 54.822,40.875 54.835,40.875 55.13,41.17 55.13,45.023 53.53,46.623 v1(53.53,47.92) 53.53,49.4 53.08,49.85 C27.1@52.74,49.85 52.63,49.96 U2.4@51.43,49.96
  INT3 w0.2: v1(14.008,4.525) 13.892,4.641 13.892,4.95 19.05,10.108 v1(19.05,20.268)
  POWER w0.5: v1(19.05,20.268) 19.05,20.4 19.55,20.9 23.23,20.9 25.77,18.36 44.811,18.36 46.36,19.909 46.36,26.8 47.86,28.3 v1(47.86,38)
  BOTTOM w0.1: v1(53.53,47.92) pad.1@53.53,48.772
  BOTTOM w0.3: v1(14.008,4.525) 14.333,4.2 19.184,4.2 19.61,4.626 19.61,5.61 19.28,5.94 C17.2@19.05,5.94 19.05,6.07 17.21,7.91 J2.189@17.21,8.86 ; J2.190@16.91,17.06 16.91,18.989 17.714,19.793 18.127,19.793 18.53,20.196 18.53,20.63 18.83,20.93 C18.1@19.05,20.93 v1(19.05,20.268)